# Altium PCB ZeroPilot3.0.PcbDoc (part 1 of 2)
Units mm, origin at the board's own origin, x right, y up, seen from the top; angles counter-clockwise.
Board outline 75 x 75 mm, 4 copper layers (L01, L02, L03, L04), stack 1.564 mm thick; 136 components, 114 nets, 604 pads, 529 vias.
Unrouted connection lines stored in the file: 6.
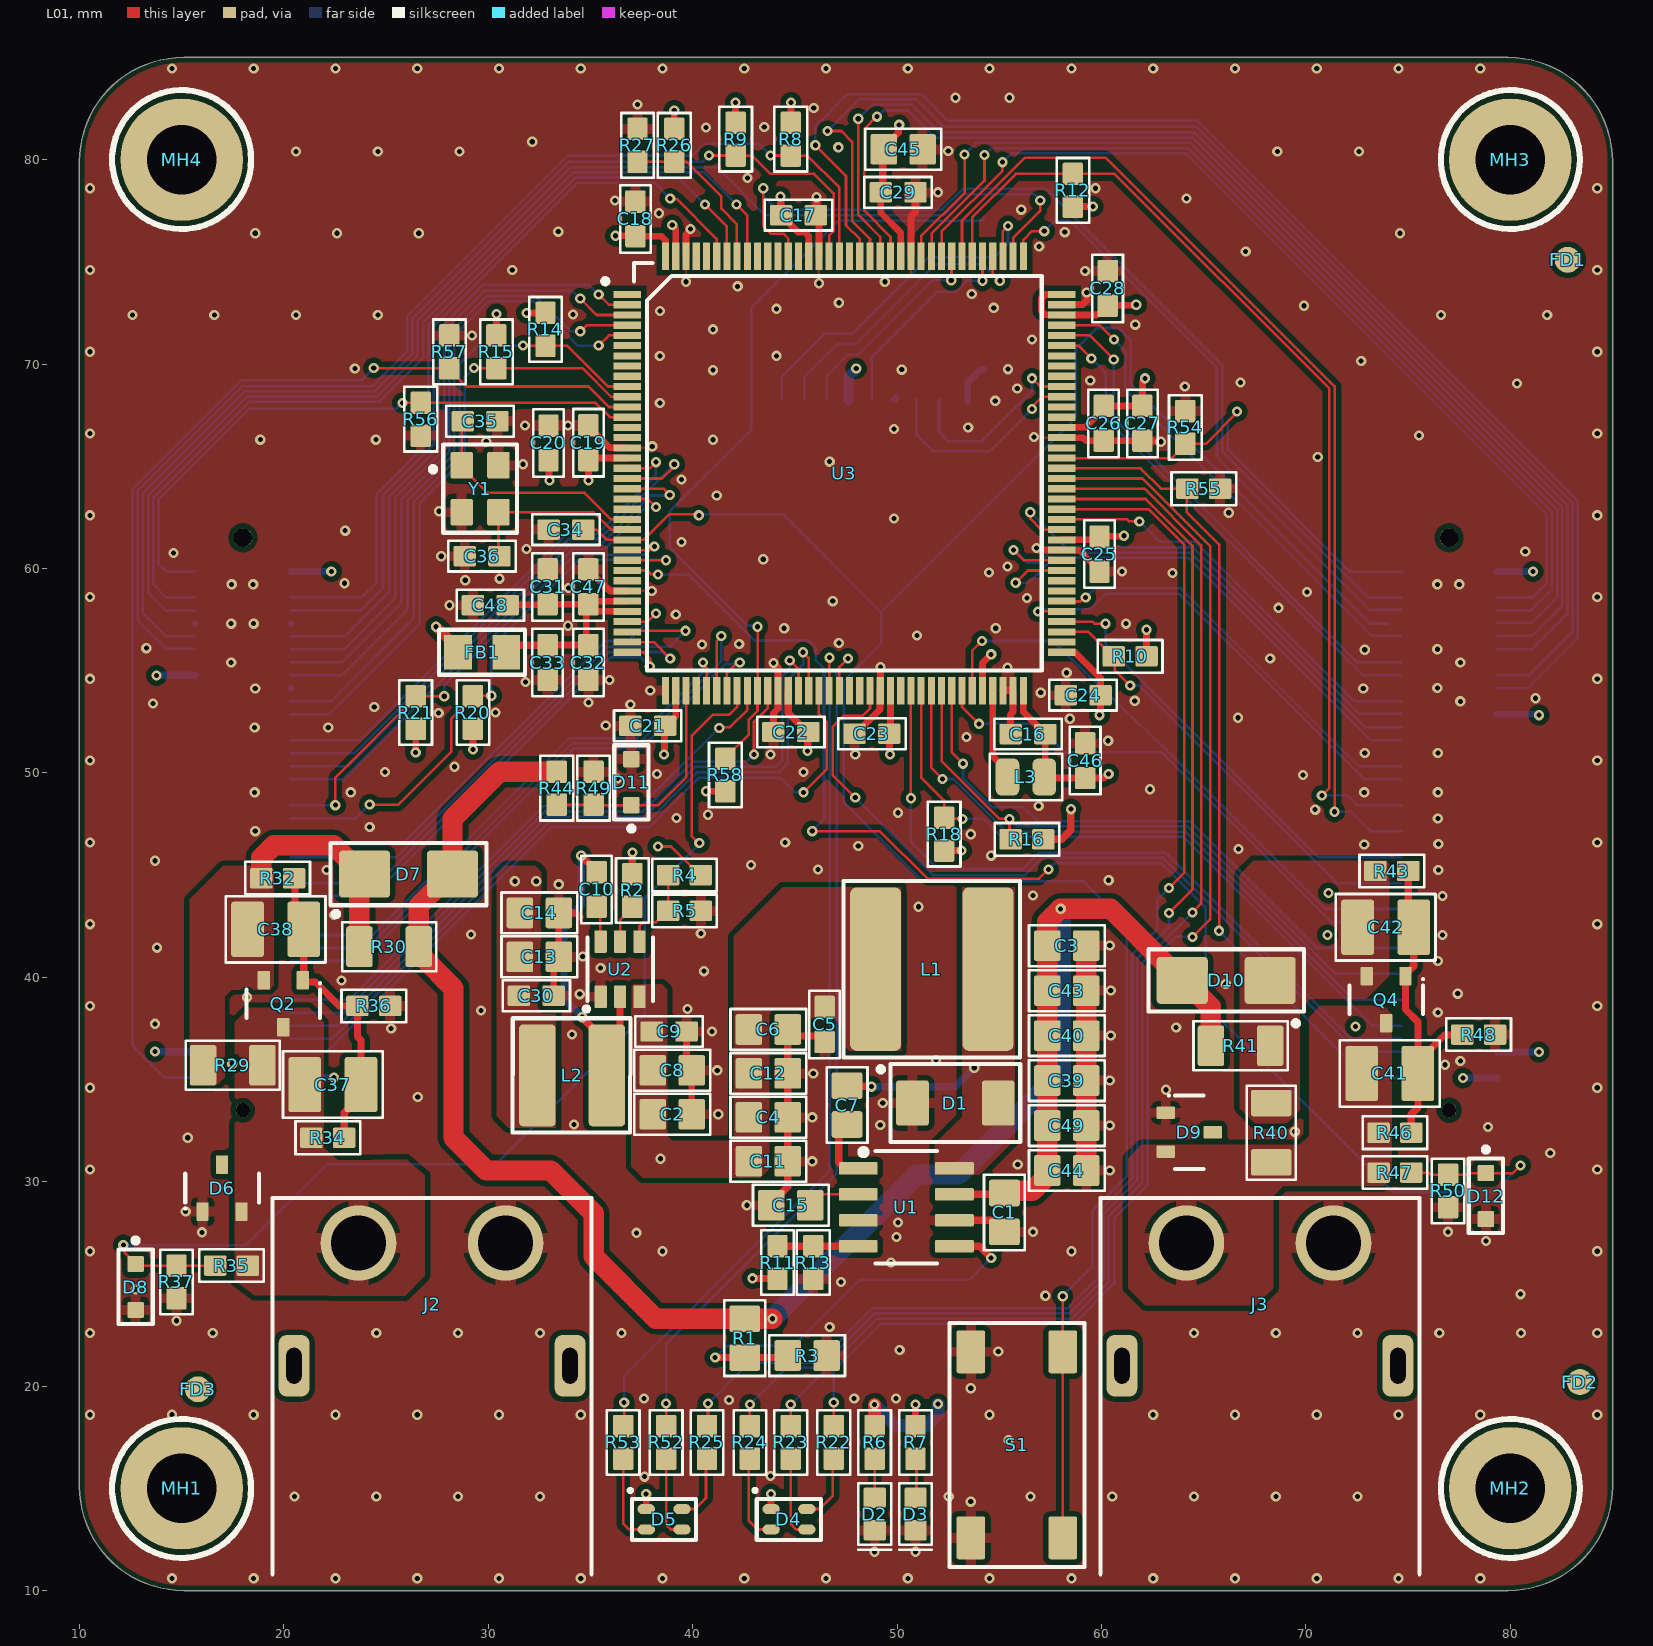
[diagram p0: L01 view]
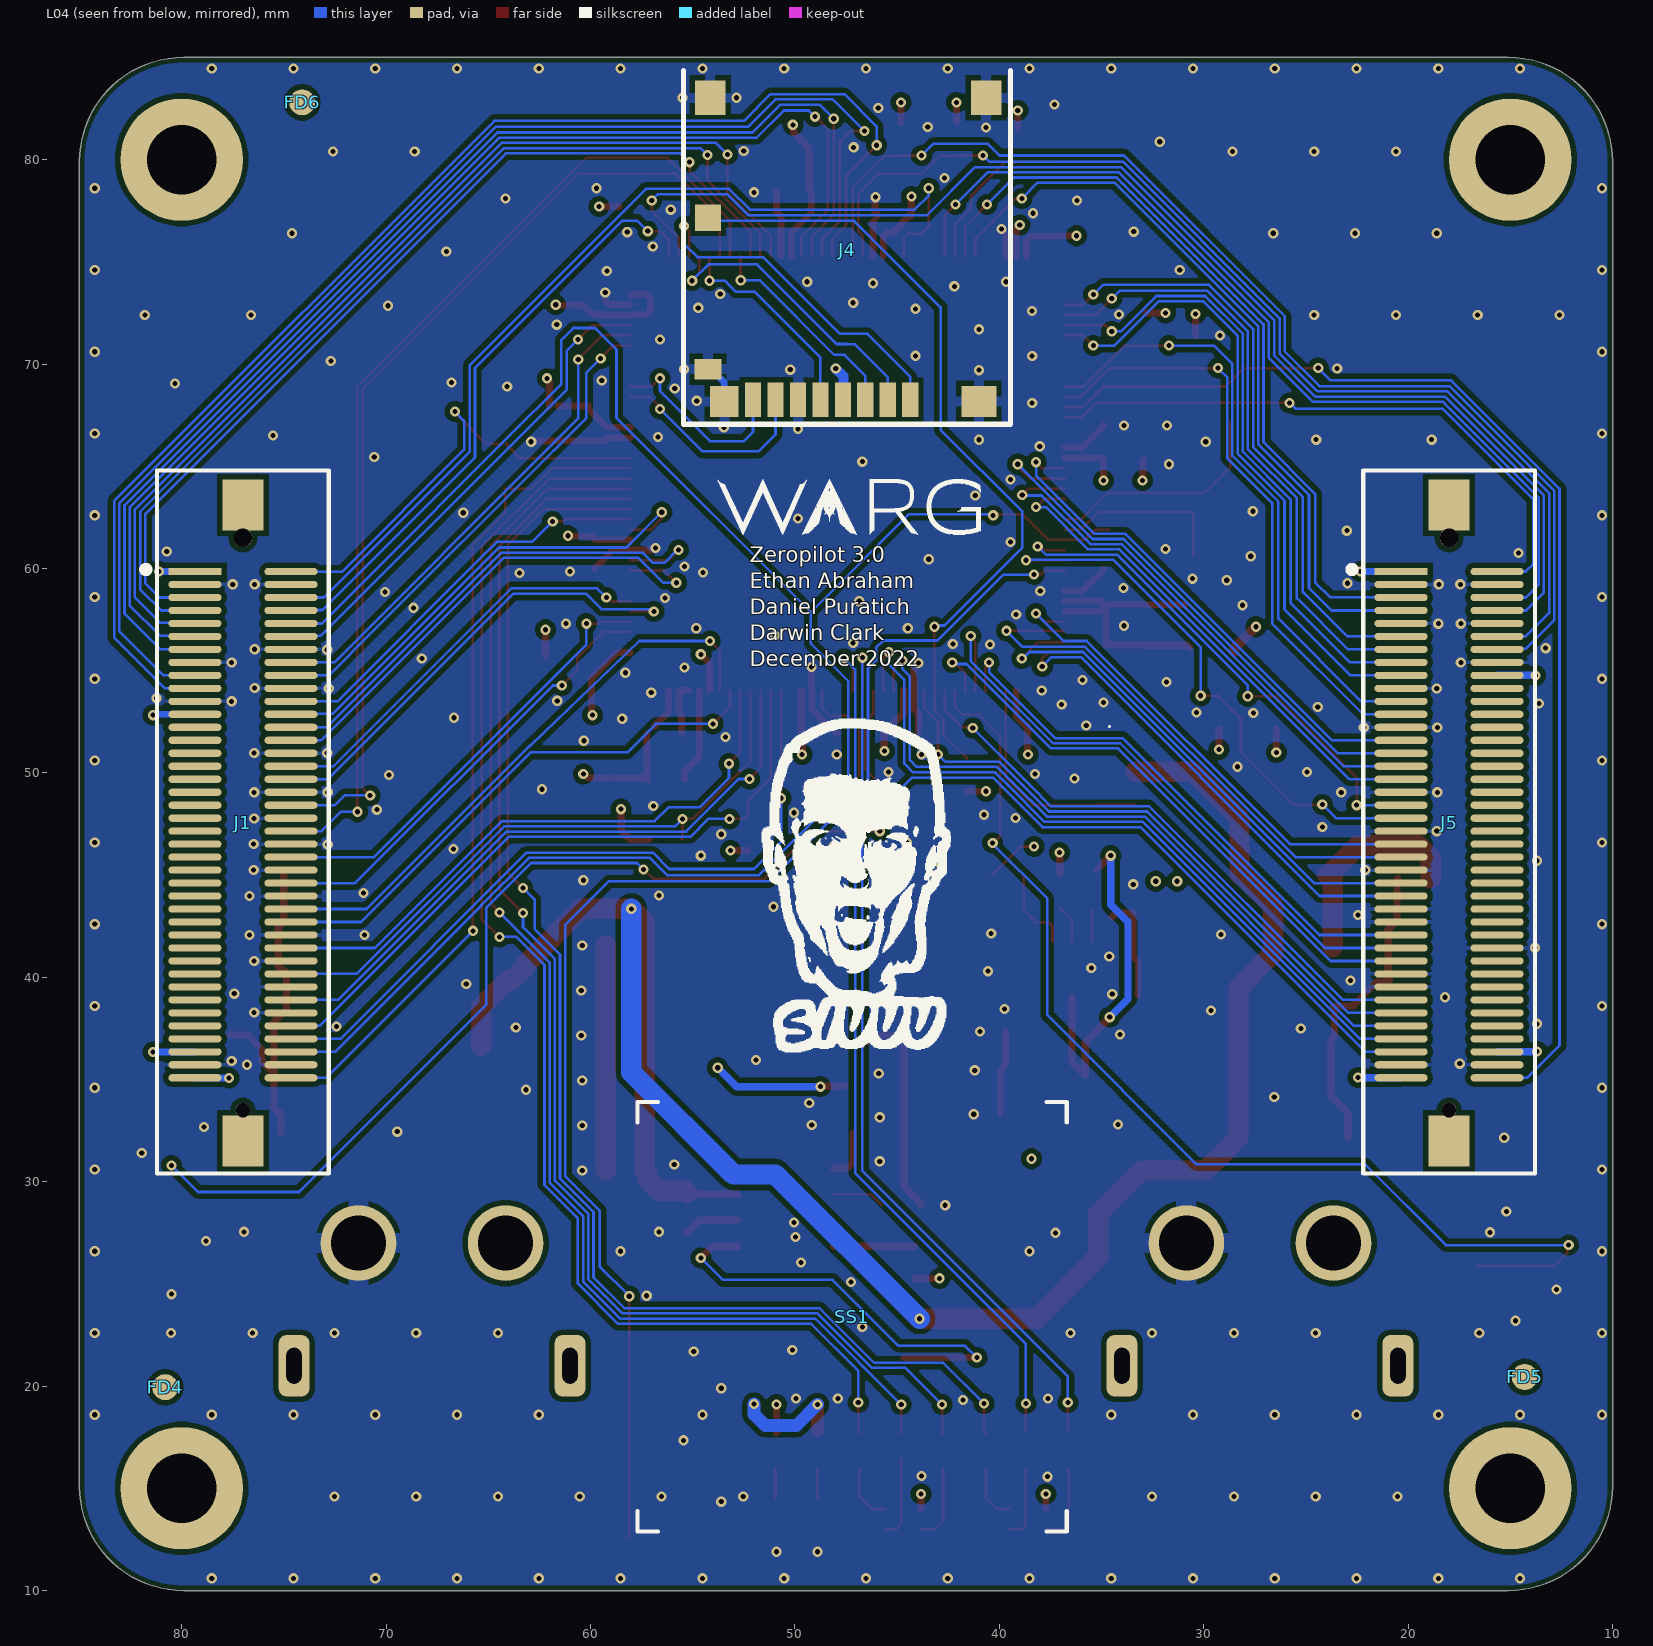
[diagram p1: L04 view, seen from below]
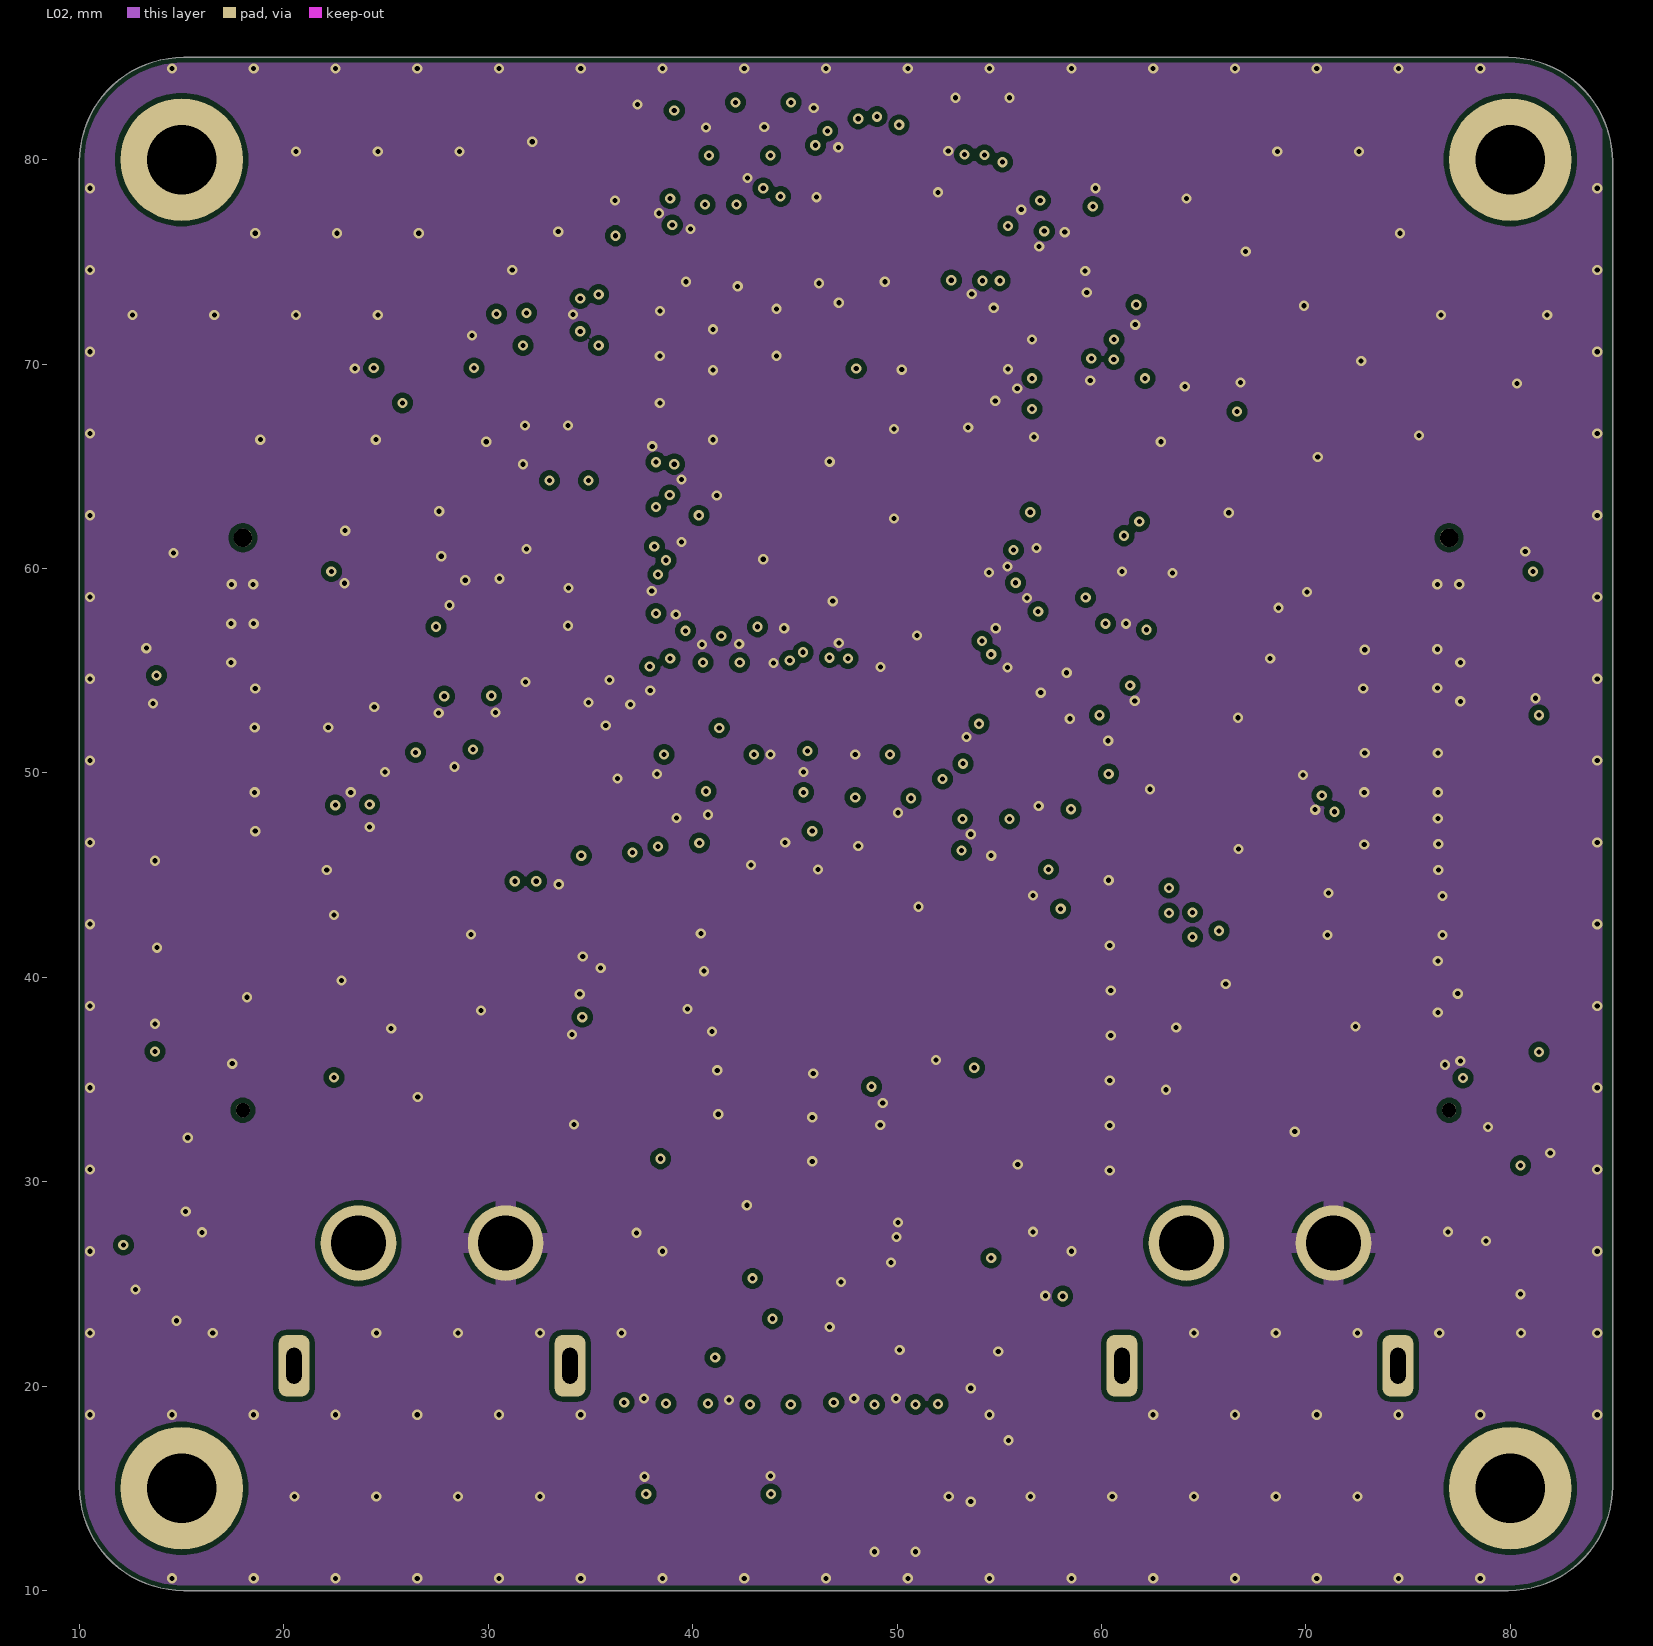
[diagram p2: L02]
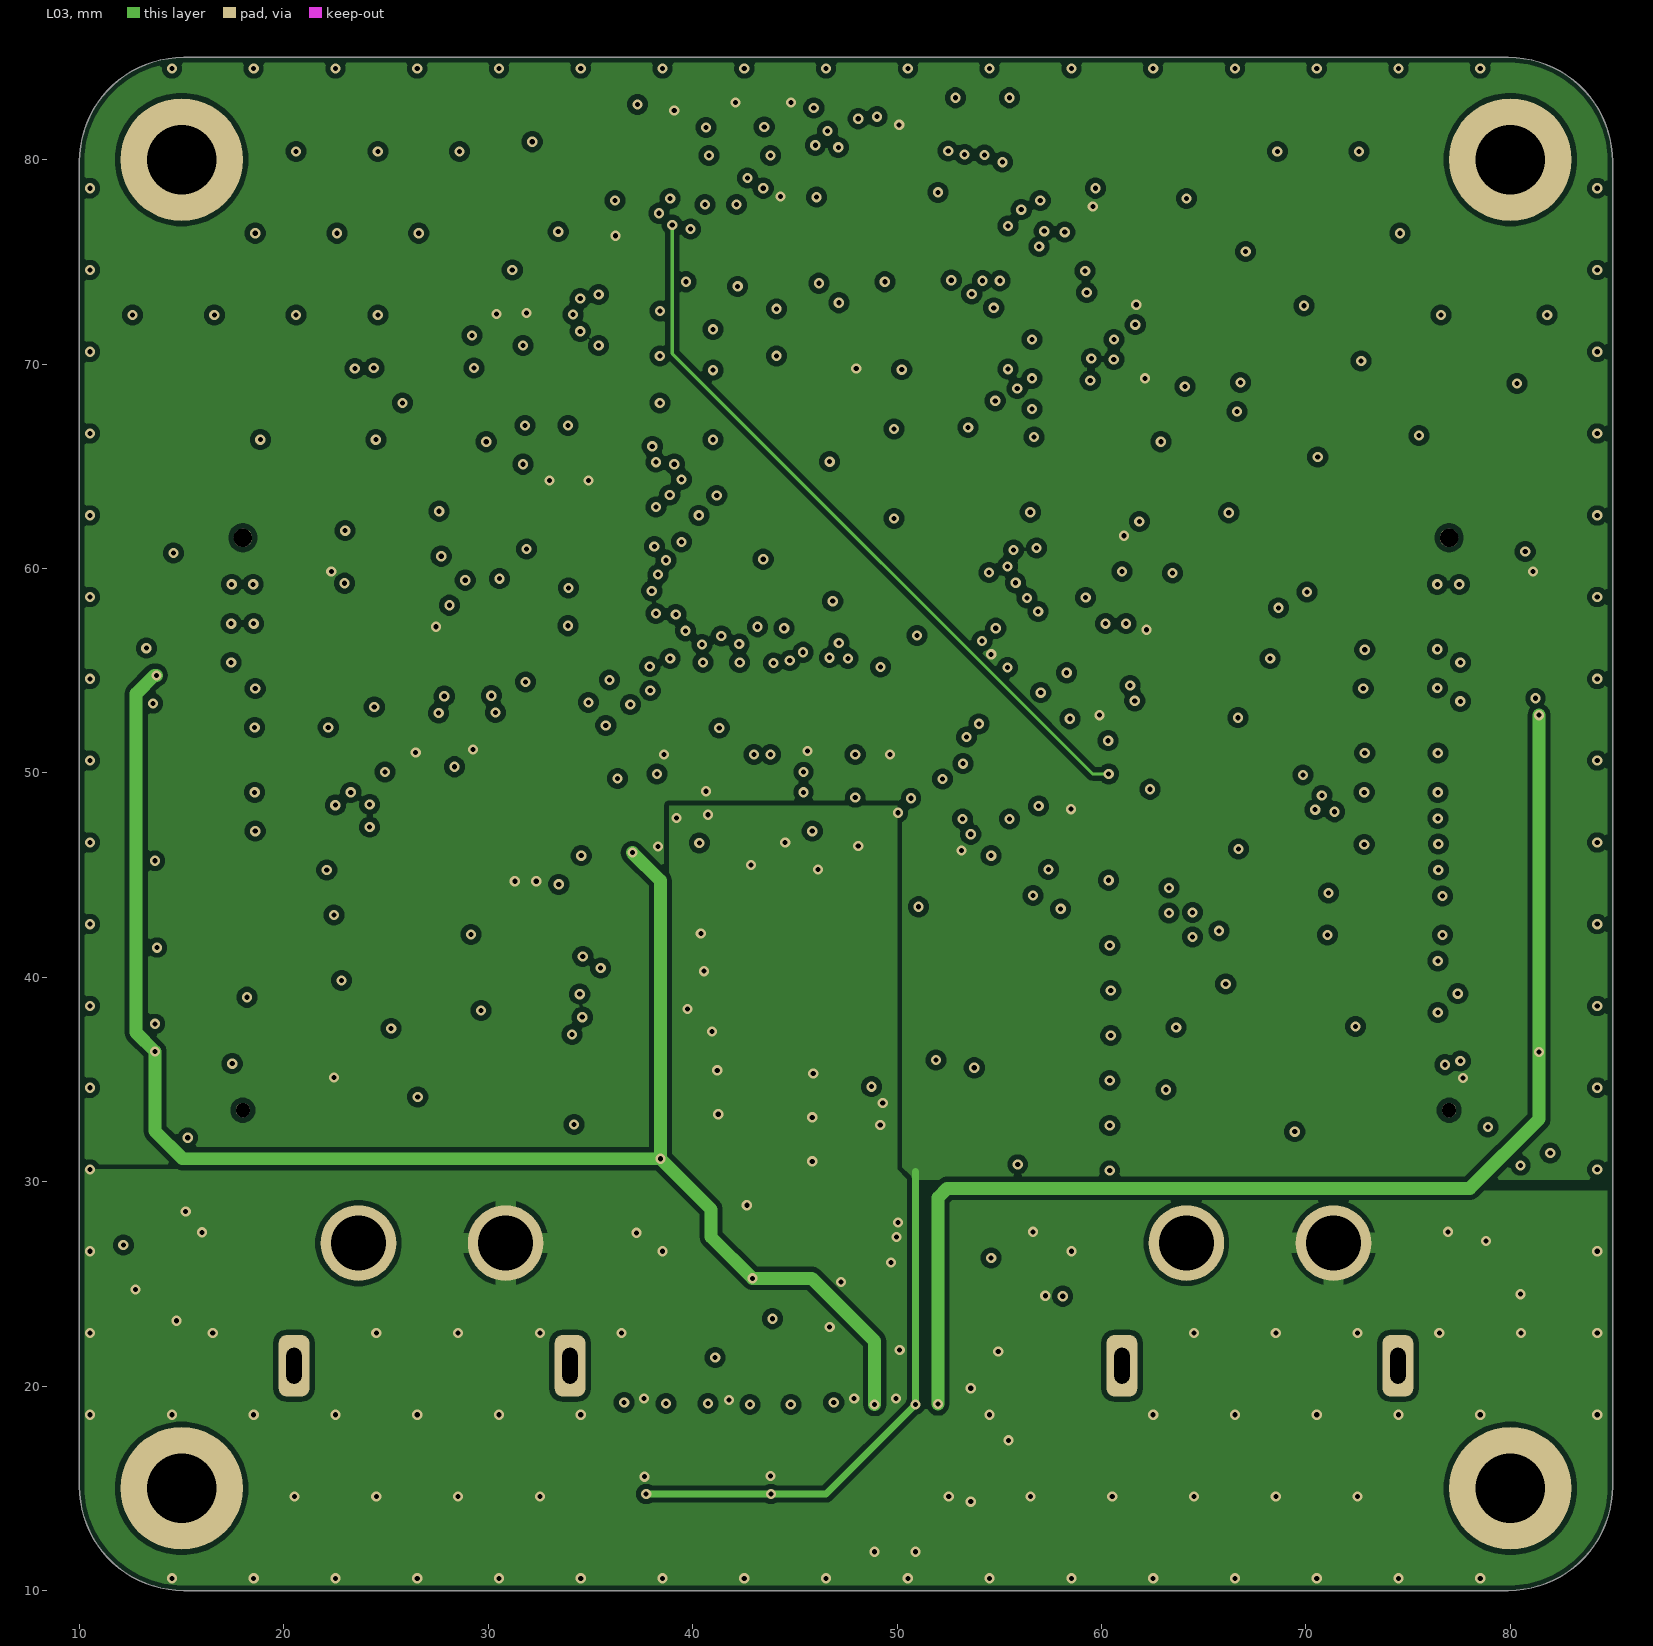
[diagram p3: L03]
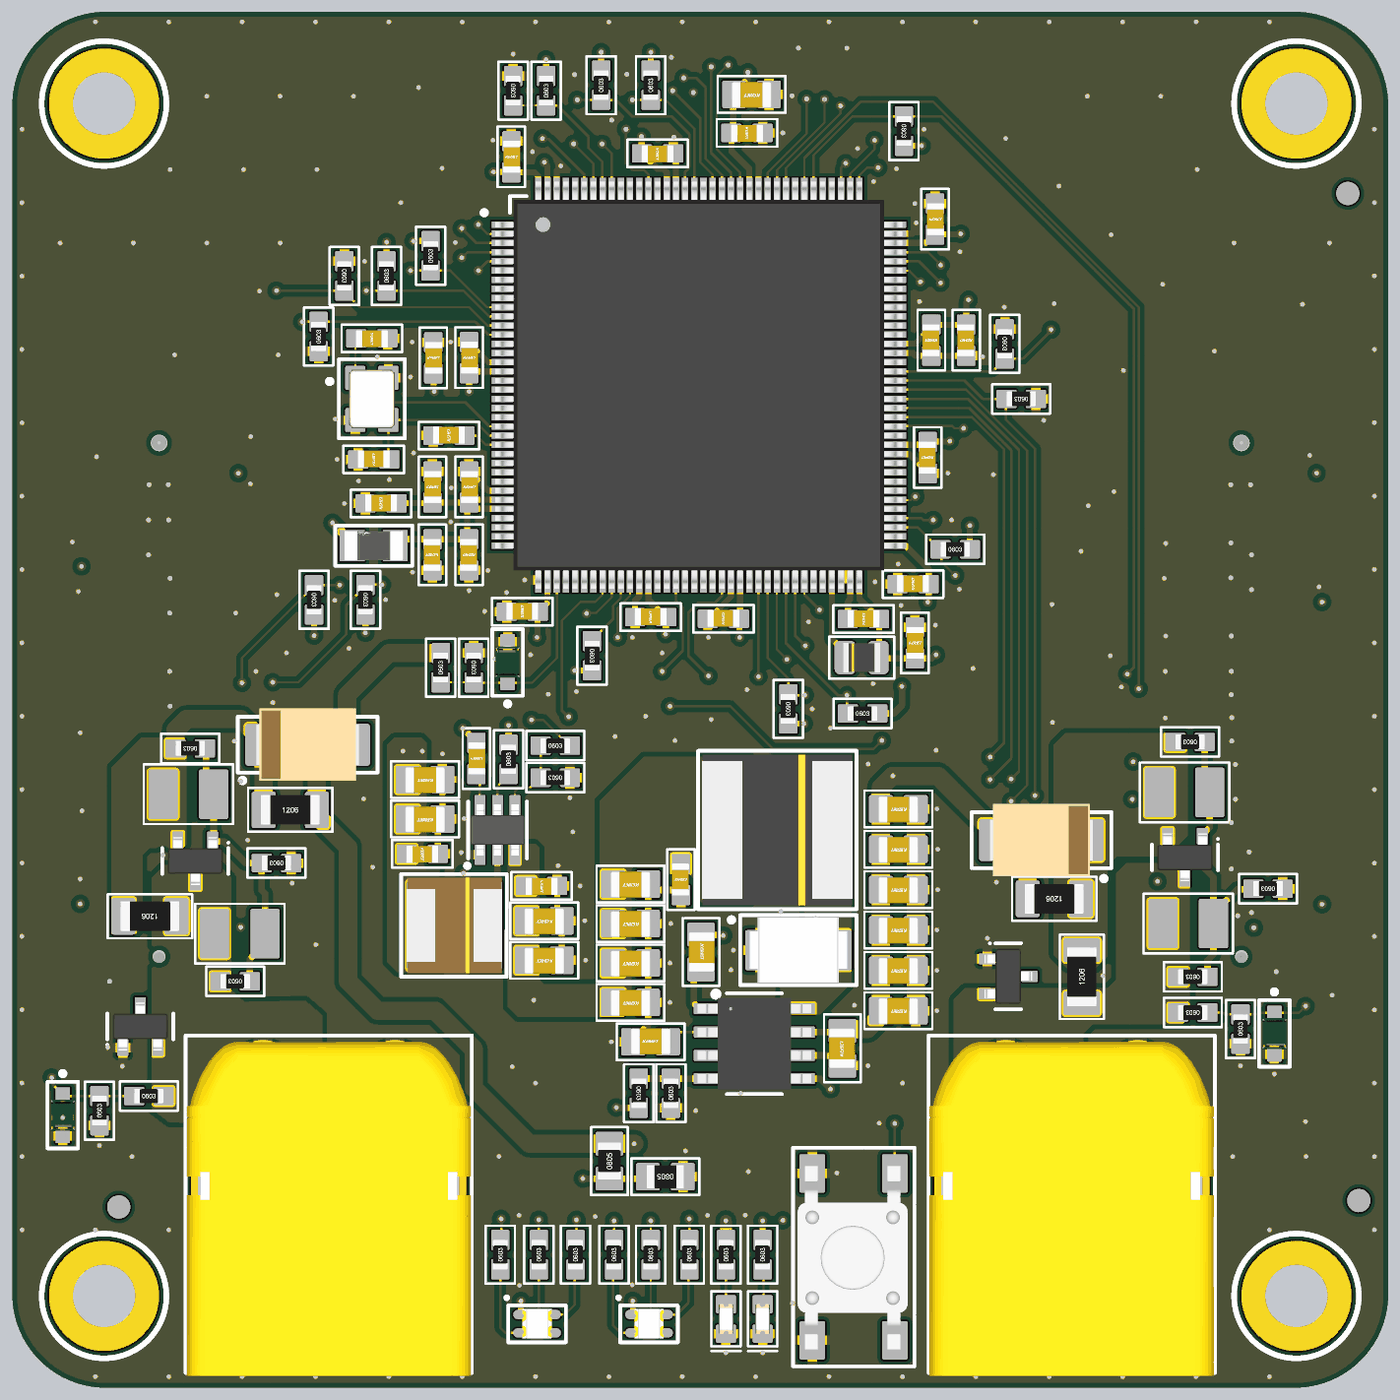
[diagram p5: 3D render of the assembled board from above, using the file's embedded part models]
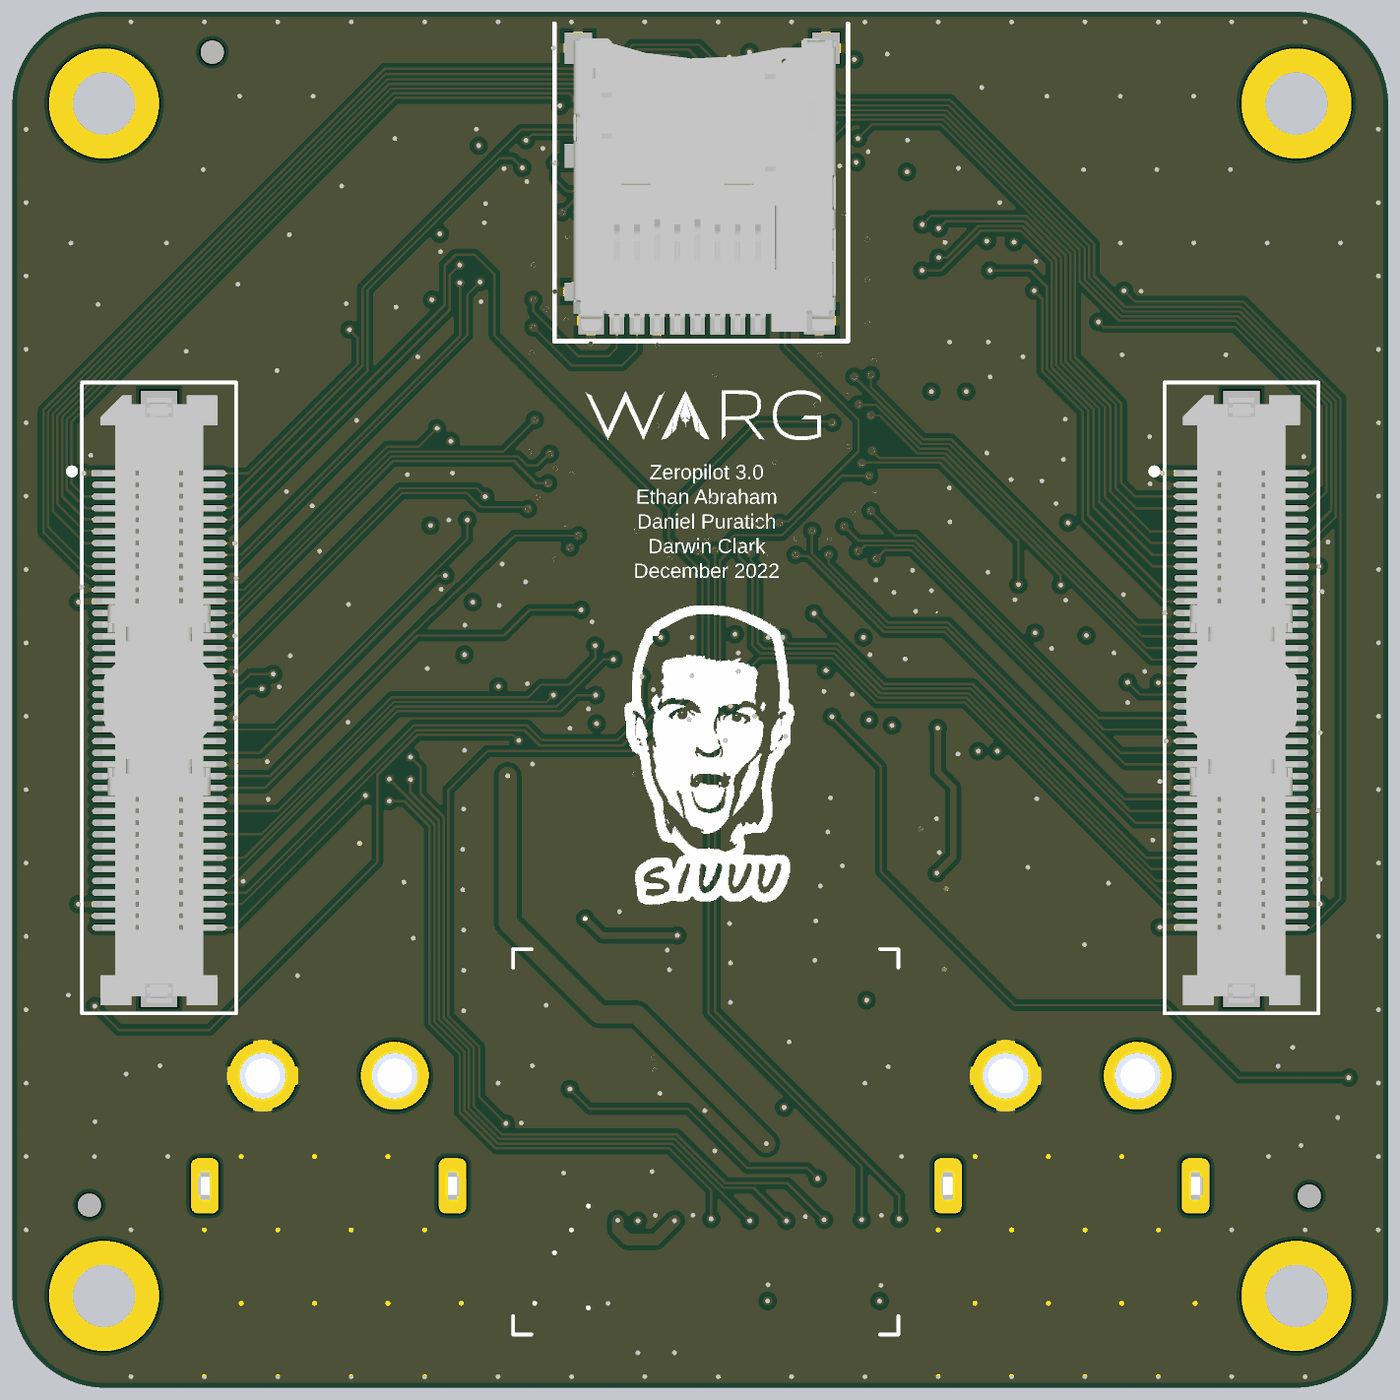
[diagram p6: 3D render of the assembled board from below, using the file's embedded part models]

## Layer stack, top to bottom
Top Solder: solder mask 0.02, Solder Resist, Dk 3.5
L01: signal copper 0.035
Dielectric 1: prepreg 0.0994, PP-006, Dk 4.1
L02: signal copper 0.0152
Core: core 1.265, FR-4, Dk 4.8
L03: signal copper 0.0152
Dielectric 2: prepreg 0.0994, PP-006, Dk 4.1
L04: signal copper 0.035
Bottom Solder: solder mask 0.02, Solder Resist, Dk 3.5

## Board outline
15.1,10 cw(c15.1,15.1) 10,15.1 10,79.9 cw(c15.1,79.9) 15.1,85 79.9,85 cw(c79.9,79.9) 85,79.9 85,15.1 cw(c79.9,15.1) 79.9,10
